# KiCad board motherboard_v1.kicad_pcb
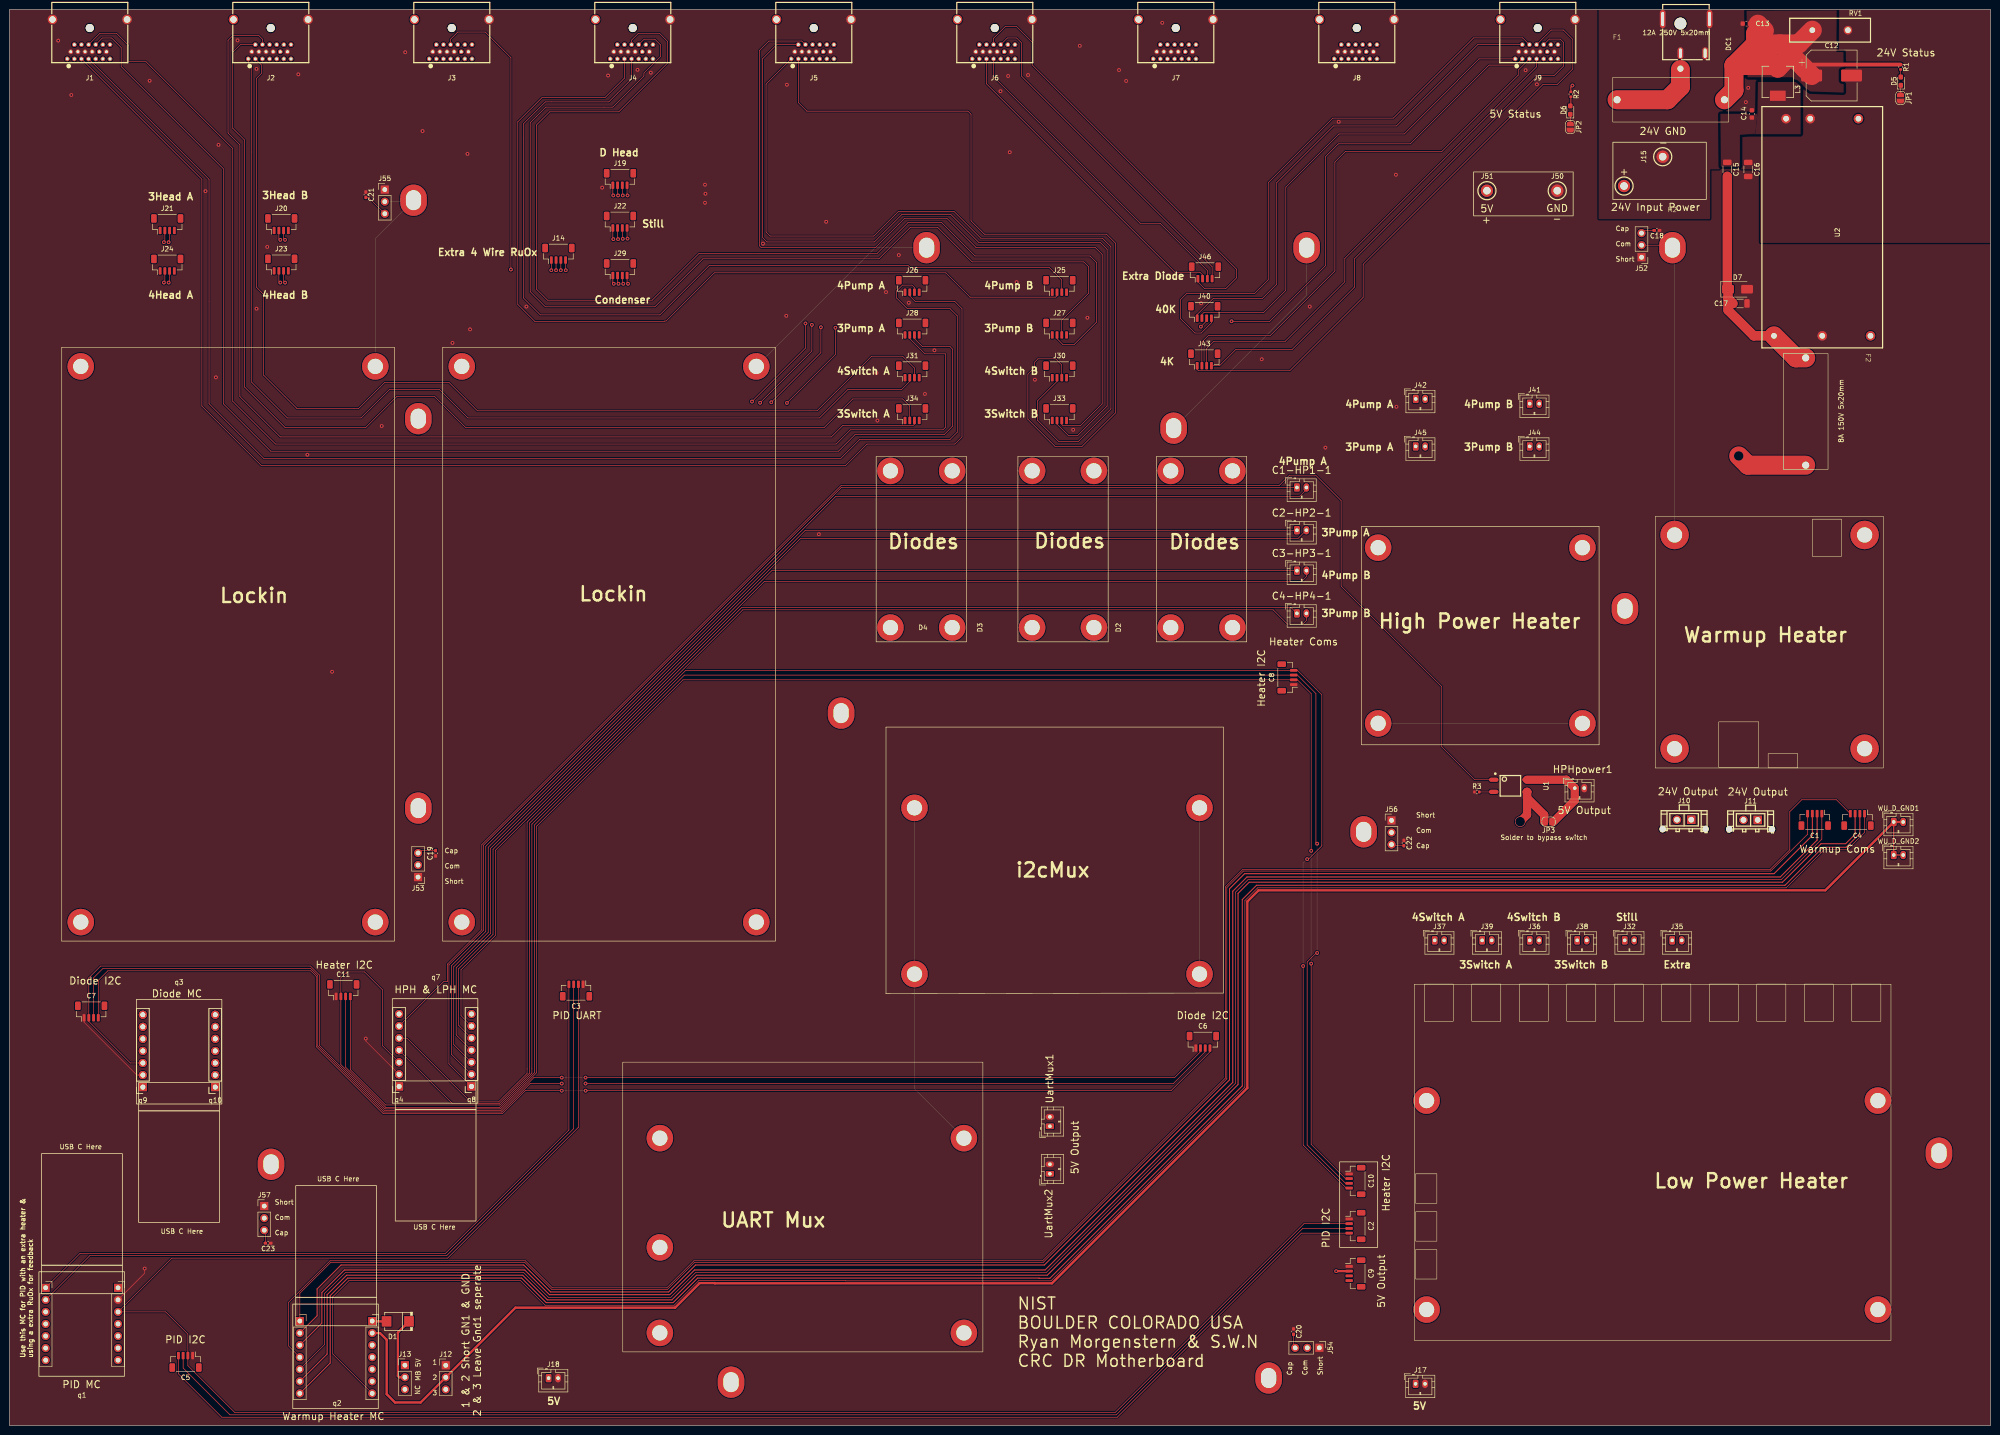
[diagram p0: board, top side]
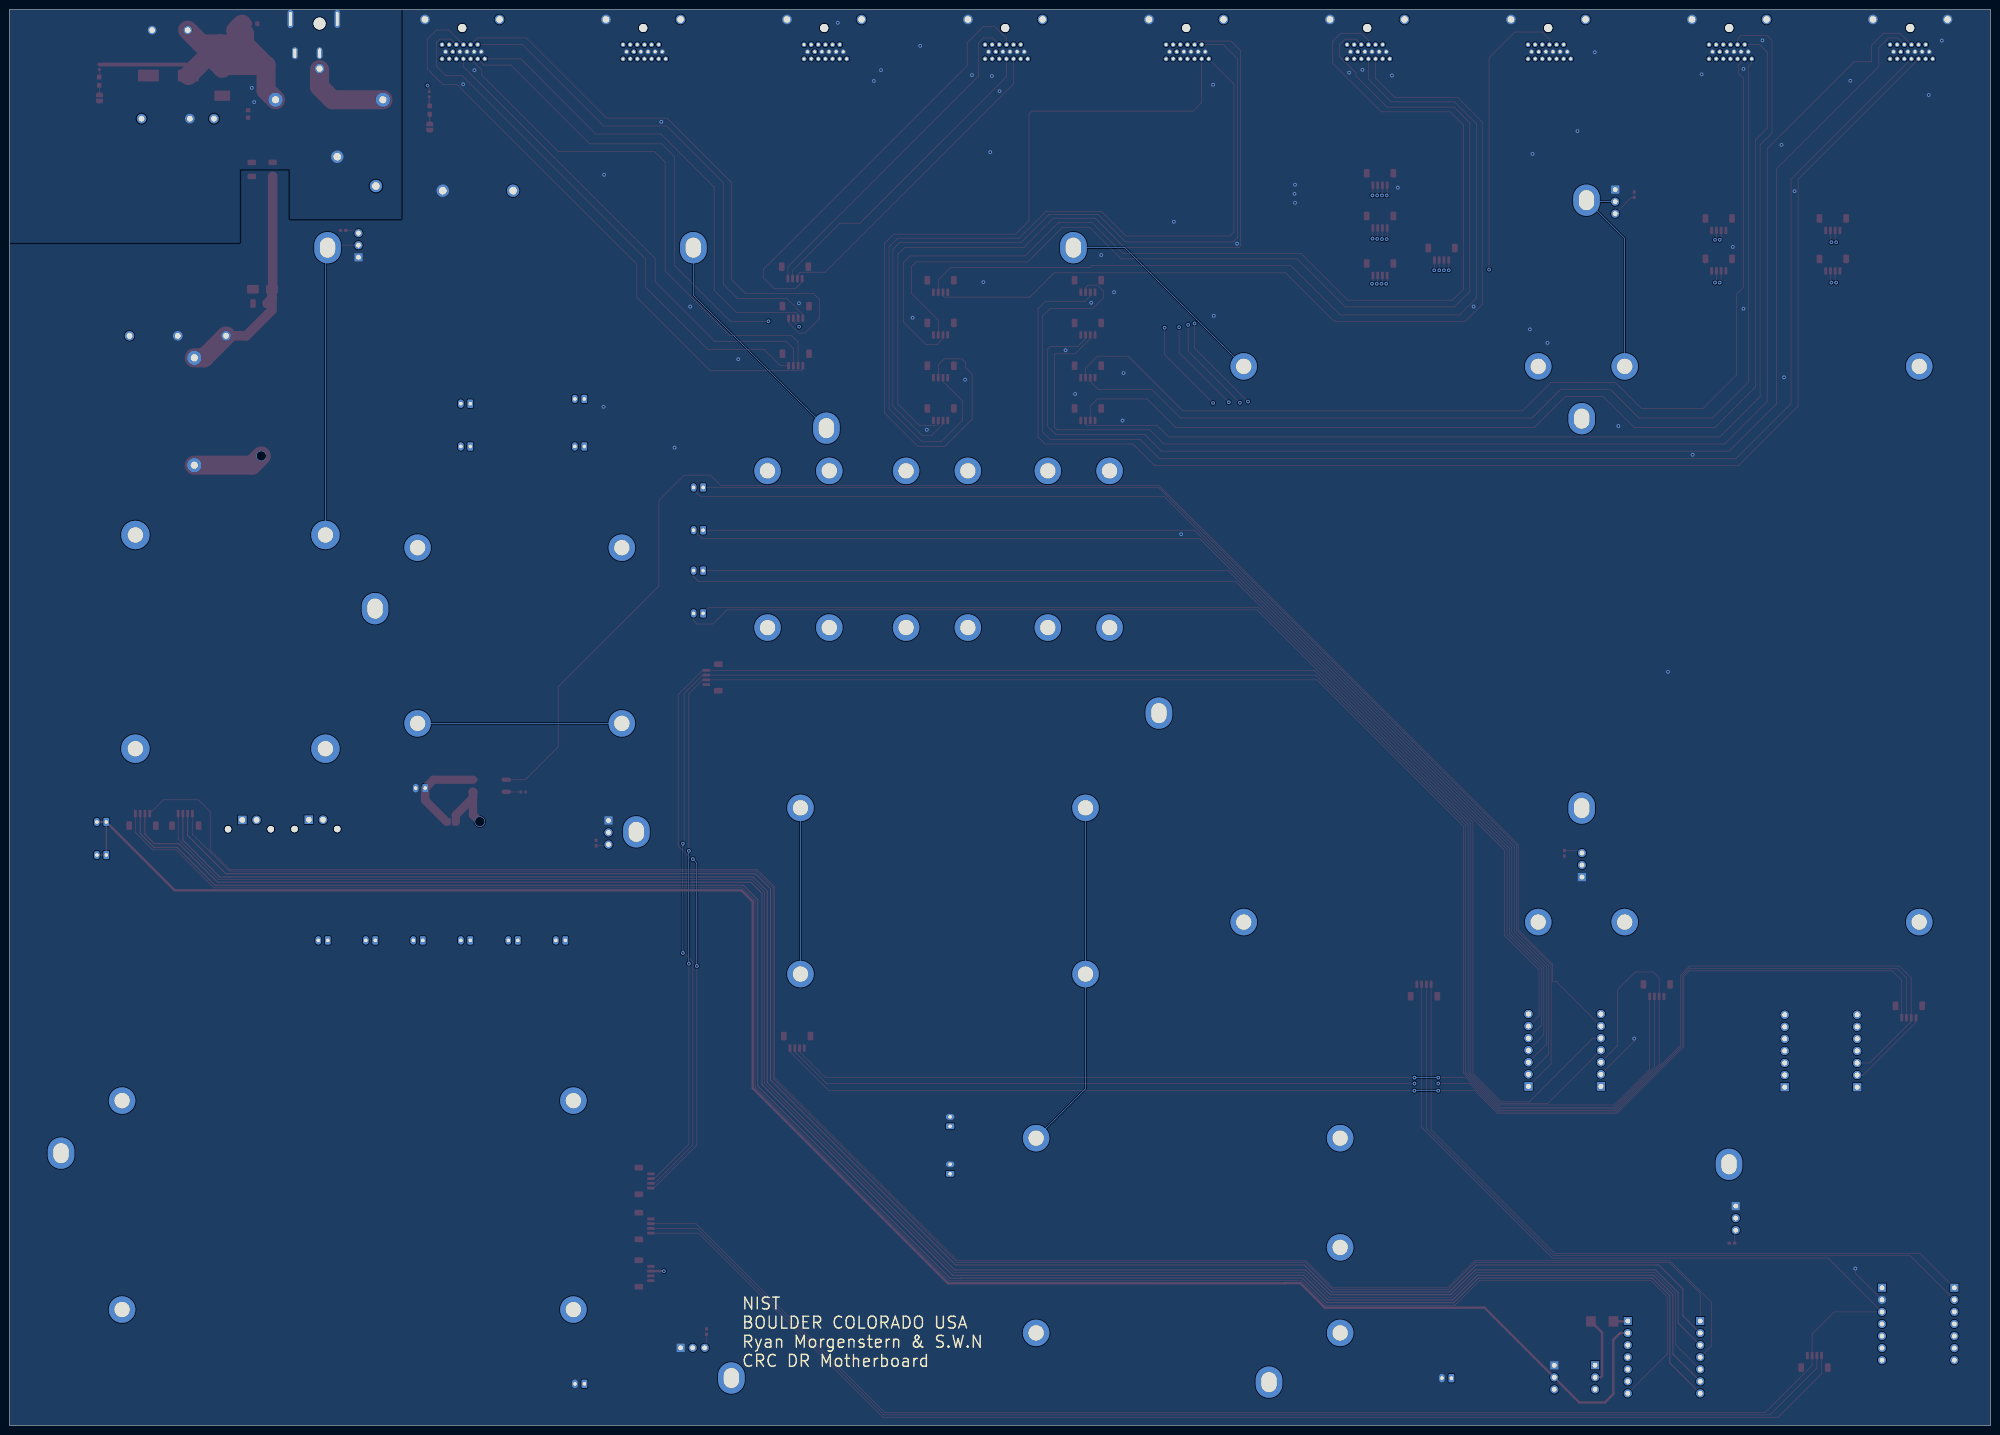
[diagram p1: board, bottom side, seen from below]

Outline 417 x 298.15 mm; copper layers: Top, In1.Cu, In2.Cu, In3.Cu, In4.Cu, Bottom. Coordinates in mm from the lower left corner of the outline.
Outline path: 0,298.15 0,0 417,0 417,298.15 0,298.15
Stack: Top 0.035mm / dielectric 0.1mm FR4 er 4.5 / In1.Cu 0.035mm / dielectric 0.535mm FR4 er 4.5 / In2.Cu 0.035mm / dielectric 0.1mm FR4 er 4.5 / In3.Cu 0.035mm / dielectric 0.535mm FR4 er 4.5 / In4.Cu 0.035mm / dielectric 0.1mm FR4 er 4.5 / Bottom 0.035mm

## Placement (name value [footprint] x y rotation side)
C1  JST_SH_Conn_01x04_  [JST_SH_BM04B-SRSS-TB_1x04-1MP_P1.00mm_Vertical]  380 127.51 180 top
C1-HP1-1  Conn_01x02  [JST_PH_B2B-PH-K_1x02_P2.00mm_Vertical]  271 197.51 0 top
C2  JST_SH_Conn_01x04_  [JST_SH_BM04B-SRSS-TB_1x04-1MP_P1.00mm_Vertical]  283.32 42 270 top
C2-HP2-1  Conn_01x02  [JST_PH_B2B-PH-K_1x02_P2.00mm_Vertical]  271 188.51 0 top
C3  JST_SH_Conn_01x04_  [JST_SH_BM04B-SRSS-TB_1x04-1MP_P1.00mm_Vertical]  119.25 91.57 180 top
C3-HP3-1  Conn_01x02  [JST_PH_B2B-PH-K_1x02_P2.00mm_Vertical]  271 180 0 top
C4  JST_SH_Conn_01x04_  [JST_SH_BM04B-SRSS-TB_1x04-1MP_P1.00mm_Vertical]  389 127.51 180 top
C4-HP4-1  Conn_01x02  [JST_PH_B2B-PH-K_1x02_P2.00mm_Vertical]  271 171 0 top
C5  JST_SH_Conn_01x04_  [JST_SH_BM04B-SRSS-TB_1x04-1MP_P1.00mm_Vertical]  37.05 13.4 180 top
C6  JST_SH_Conn_01x04_  [JST_SH_BM04B-SRSS-TB_1x04-1MP_P1.00mm_Vertical]  251.2 80.8 0 top
C7  JST_SH_Conn_01x04_  [JST_SH_BM04B-SRSS-TB_1x04-1MP_P1.00mm_Vertical]  17.19 87.17 0 top
C8  JST_SH_Conn_01x04_  [JST_SH_BM04B-SRSS-TB_1x04-1MP_P1.00mm_Vertical]  269 157.51 90 top
C9  JST_SH_Conn_01x04_  [JST_SH_BM04B-SRSS-TB_1x04-1MP_P1.00mm_Vertical]  283.32 32.01 270 top
C10  JST_SH_Conn_01x04_  [JST_SH_BM04B-SRSS-TB_1x04-1MP_P1.00mm_Vertical]  283.32 51.49 270 top
C11  JST_SH_Conn_01x04_  [JST_SH_BM04B-SRSS-TB_1x04-1MP_P1.00mm_Vertical]  70.25 91.67 0 top
C12  470uF_50V  [CP_Elec_10x10.5]  383.55 284.25 0 top
C13  1uF_50V  [C_0603_1608Metric]  365.61 295.17 180 top
C14  1uF_50V  [C_0603_1608Metric]  366.77 276.16 90 top
C15  1nF_2kV  [C_1206_3216Metric]  361.6 264.5 270 top
C16  1nF_2kV  [C_1206_3216Metric]  366 264.47 270 top
C17  100uF_10V  [C_1206_3216Metric]  364.27 236.25 0 top
C18  100nF_50V  [C_0402_1005Metric_Pad0.74x0.62mm_HandSolder]  346.78 251.64 180 top
C19  100nF_50V  [C_0402_1005Metric_Pad0.74x0.62mm_HandSolder]  89.7 120.49 90 top
C20  100nF_50V  [C_0402_1005Metric_Pad0.74x0.62mm_HandSolder]  270.28 19.77 270 top
C21  100nF_50V  [C_0402_1005Metric_Pad0.74x0.62mm_HandSolder]  75 259.15 270 top
C22  100nF_50V  [C_0402_1005Metric_Pad0.74x0.62mm_HandSolder]  293.52 122.64 270 top
C23  100nF_50V  [C_0402_1005Metric_Pad0.74x0.62mm_HandSolder]  54.43 38.39 180 top
D1  SS3150_SMB  [SMB_L4.6-W3.6-LS5.3-RD]  81.73 21.92 180 top
D2  ~  [Diode_Board]  244.43 168.01 90 top
D3  ~  [Diode_Board]  215.27 168.01 90 top
D4  ~  [Diode_Board]  185.43 168.01 90 top
D5  LED  [LED_0603_1608Metric_Pad1.05x0.95mm_HandSolder]  398.12 283.06 90 top
D6  LED  [LED_0603_1608Metric_Pad1.05x0.95mm_HandSolder]  328.55 276.97 90 top
D7  SMBJ7.0A  [D_SMA]  363.75 239.25 0 top
DC1  DC-044K-D025  [barrel_jack_DC-IN-TH_DC-044K-D025]  352.93 290.92 270 top
F1  Fuse 250V 12A  [Fuse_holder]  338.4 279.15 0 top
F2  Fuse 250V 8A  [Fuse_holder]  378.1 224.8 270 top
H1  MountingHole_Pad  [Slot_Mounting_Hole]  85 258 0 top
H2  MountingHole_Pad  [Slot_Mounting_Hole]  350 248 0 top
H3  MountingHole_Pad  [Slot_Mounting_Hole]  245 210 0 top
H4  MountingHole_Pad  [Slot_Mounting_Hole]  175 150 0 top
H5  MountingHole_Pad  [Slot_Mounting_Hole]  86 130 0 top
H6  MountingHole_Pad  [Slot_Mounting_Hole]  86 212 0 top
H7  MountingHole_Pad  [Slot_Mounting_Hole]  265 10 0 top
H8  MountingHole_Pad  [Slot_Mounting_Hole]  55 55 0 top
H9  MountingHole_Pad  [Slot_Mounting_Hole]  193 248 0 top
H10  MountingHole_Pad  [Slot_Mounting_Hole]  406.1 57.35 0 top
H11  MountingHole_Pad  [Slot_Mounting_Hole]  285 125 0 top
H12  MountingHole_Pad  [Slot_Mounting_Hole]  273 248 0 top
H13  MountingHole_Pad  [Slot_Mounting_Hole]  340 172 0 top
H14  MountingHole_Pad  [Slot_Mounting_Hole]  151.83 9.13 0 top
H15  Low_Power_Heater_Mount  [Low_Power_Heater_Board]  298.3 68.41 0 top
H16  High_Power_Heater_Mount  [HPH_Board]  288.1 184.83 0 top
HPHpower1  Conn_01x02  [JST_PH_B2B-PH-K_1x02_P2.00mm_Vertical]  329.49 134.2 0 top
J1  HDMI_A_1.4  [HDMI-TH_D-HDMIM19P-FC00]  16.9 291.9 180 top
J2  HDMI_A_1.4  [HDMI-TH_D-HDMIM19P-FC00]  55 291.9 180 top
J3  HDMI_A_1.4  [HDMI-TH_D-HDMIM19P-FC00]  93.1 291.9 180 top
J4  HDMI_A_1.4  [HDMI-TH_D-HDMIM19P-FC00]  131.2 291.9 180 top
J5  HDMI_A_1.4  [HDMI-TH_D-HDMIM19P-FC00]  169.3 291.9 180 top
J6  HDMI_A_1.4  [HDMI-TH_D-HDMIM19P-FC00]  207.4 291.9 180 top
J7  HDMI_A_1.4  [HDMI-TH_D-HDMIM19P-FC00]  245.5 291.9 180 top
J8  HDMI_A_1.4  [HDMI-TH_D-HDMIM19P-FC00]  283.6 291.9 180 top
J9  HDMI_A_1.4  [HDMI-TH_D-HDMIM19P-FC00]  321.7 291.9 180 top
J10  Conn_01x02  [CONN-TH_436500215]  352.5 127.55 0 top
J11  Conn_01x02  [CONN-TH_436500215]  366.5 127.51 0 top
J12  Conn_01x03_Pin  [PinHeader_1x03_P2.54mm_Vertical]  91.83 12.67 0 top
J13  Conn_01x03_Pin  [PinHeader_1x03_P2.54mm_Vertical]  83.23 12.69 0 top
J14  JST_SH_Conn_01x04_Extra  [JST_SH_BM04B-SRSS-TB_1x04-1MP_P1.00mm_Vertical]  115.55 246.72 0 top
J15  Conn_01x01  [Test_Point_TH_BD3.2-D2.0]  348 267.15 90 top
J16  Conn_01x01  [Test_Point_TH_BD3.2-D2.0]  339.86 260.98 90 top
J17  Conn_01x02  [JST_PH_B2B-PH-K_1x02_P2.00mm_Vertical]  295.98 8.77 0 top
J18  Conn_01x02  [JST_PH_B2B-PH-K_1x02_P2.00mm_Vertical]  113.47 9.97 0 top
J19  JST_SH_Conn_01x04_D HEad  [JST_SH_BM04B-SRSS-TB_1x04-1MP_P1.00mm_Vertical]  128.5 262.47 0 top
J20  JST_SH_Conn_01x04_3Head B  [JST_SH_BM04B-SRSS-TB_1x04-1MP_P1.00mm_Vertical]  57.2 252.95 0 top
J21  JST_SH_Conn_01x04_3Head A  [JST_SH_BM04B-SRSS-TB_1x04-1MP_P1.00mm_Vertical]  33.2 252.95 0 top
J22  JST_SH_Conn_01x04_Still  [JST_SH_BM04B-SRSS-TB_1x04-1MP_P1.00mm_Vertical]  128.5 253.47 0 top
J23  JST_SH_Conn_01x04_4Head B  [JST_SH_BM04B-SRSS-TB_1x04-1MP_P1.00mm_Vertical]  57.2 244.45 0 top
J24  JST_SH_Conn_01x04_4Head A  [JST_SH_BM04B-SRSS-TB_1x04-1MP_P1.00mm_Vertical]  33.2 244.42 0 top
J25  JST_SH_Conn_01x04_4Pump Diode B  [JST_SH_BM04B-SRSS-TB_1x04-1MP_P1.00mm_Vertical]  221 239.95 0 top
J26  JST_SH_Conn_01x04_4Pump Diode A  [JST_SH_BM04B-SRSS-TB_1x04-1MP_P1.00mm_Vertical]  190 239.95 0 top
J27  JST_SH_Conn_01x04_3Pump Diode B  [JST_SH_BM04B-SRSS-TB_1x04-1MP_P1.00mm_Vertical]  221 230.95 0 top
J28  JST_SH_Conn_01x04_3Pump Diode A  [JST_SH_BM04B-SRSS-TB_1x04-1MP_P1.00mm_Vertical]  190 230.95 0 top
J29  JST_SH_Conn_01x04_Condenser  [JST_SH_BM04B-SRSS-TB_1x04-1MP_P1.00mm_Vertical]  128.5 243.47 0 top
J30  JST_SH_Conn_01x04_4Switch Diode B  [JST_SH_BM04B-SRSS-TB_1x04-1MP_P1.00mm_Vertical]  221 221.95 0 top
J31  JST_SH_Conn_01x04_4Switch Diode A  [JST_SH_BM04B-SRSS-TB_1x04-1MP_P1.00mm_Vertical]  190 221.95 0 top
J32  Conn_01x02_Still Heater  [JST_PH_B2B-PH-K_1x02_P2.00mm_Vertical]  340 102.15 0 top
J33  JST_SH_Conn_01x04_3Switch Diode B  [JST_SH_BM04B-SRSS-TB_1x04-1MP_P1.00mm_Vertical]  221 212.95 0 top
J34  JST_SH_Conn_01x04_3Switch Diode A  [JST_SH_BM04B-SRSS-TB_1x04-1MP_P1.00mm_Vertical]  190 212.95 0 top
J35  Conn_01x02_15 pin Extra  [JST_PH_B2B-PH-K_1x02_P2.00mm_Vertical]  350 102.15 0 top
J36  Conn_01x02_4SwitchHeater B  [JST_PH_B2B-PH-K_1x02_P2.00mm_Vertical]  320 102.15 0 top
J37  Conn_01x02_4SwitchHeater A  [JST_PH_B2B-PH-K_1x02_P2.00mm_Vertical]  300 102.15 0 top
J38  Conn_01x02_3SwitchHeater B  [JST_PH_B2B-PH-K_1x02_P2.00mm_Vertical]  330 102.15 0 top
J39  Conn_01x02_3SwitchHeater A  [JST_PH_B2B-PH-K_1x02_P2.00mm_Vertical]  310 102.15 0 top
J40  JST_SH_Conn_01x04_40K Diode  [JST_SH_BM04B-SRSS-TB_1x04-1MP_P1.00mm_Vertical]  251.5 234.47 0 top
J41  Conn_01x02_4PumpHeater B  [JST_PH_B2B-PH-K_1x02_P2.00mm_Vertical]  320 215.15 0 top
J42  Conn_01x02_4PumpHeater A  [JST_PH_B2B-PH-K_1x02_P2.00mm_Vertical]  296 216.15 0 top
J43  JST_SH_Conn_01x04_4K Diode  [JST_SH_BM04B-SRSS-TB_1x04-1MP_P1.00mm_Vertical]  251.5 224.47 0 top
J44  Conn_01x02_3PumpHeater B  [JST_PH_B2B-PH-K_1x02_P2.00mm_Vertical]  320 206.15 0 top
J45  Conn_01x02_3PumpHeater A  [JST_PH_B2B-PH-K_1x02_P2.00mm_Vertical]  296 206.15 0 top
J46  JST_SH_Conn_01x04_Extra  [JST_SH_BM04B-SRSS-TB_1x04-1MP_P1.00mm_Vertical]  251.65 242.8 0 top
J50  Conn_01x01  [Test_Point_TH_BD3.2-D2.0]  325.8 260 0 top
J51  Conn_01x01  [Test_Point_TH_BD3.2-D2.0]  311 260 0 top
J52  Conn_01x03_Pin  [PinHeader_1x03_P2.54mm_Vertical]  343.54 245.98 180 top
J53  Conn_01x03_Pin  [PinHeader_1x03_P2.54mm_Vertical]  86 115.46 180 top
J54  Conn_01x03_Pin  [PinHeader_1x03_P2.54mm_Vertical]  275.72 16.35 270 top
J55  Conn_01x03_Pin  [PinHeader_1x03_P2.54mm_Vertical]  79 260.23 0 top
J56  Conn_01x03_Pin  [PinHeader_1x03_P2.54mm_Vertical]  290.91 127.41 0 top
J57  Conn_01x03_Pin  [PinHeader_1x03_P2.54mm_Vertical]  53.62 46.2 0 top
JP1  SolderJumper_2_Open  [SolderJumper-2_P1.3mm_Open_RoundedPad1.0x1.5mm]  398.06 279.52 270 top
JP2  SolderJumper_2_Open  [SolderJumper-2_P1.3mm_Open_RoundedPad1.0x1.5mm]  328.55 273.4 270 top
JP3  SolderJumper_2_Open  [SolderJumper-2_P1.3mm_Open_RoundedPad1.0x1.5mm]  323.98 127.12 180 top
L1  ~  [Lockin_board]  15 106 90 top
L2  ~  [Lockin_board]  95.2 106 90 top
L3  L_Iron  [IND-SMD_L7.1-W6.6]  372.22 282.9 270 top
M1  ~  [Uart Mux]  200.9 19.5 180 top
M2  ~  [i2c_Mux]  250.5 130.05 0 top
q1  ~  [Microcontroller-qtpy]  15.23 29 0 top
q2  ~  [Microcontroller-qtpy]  68.73 22 0 top
q3  ~  [Microcontroller-qtpy]  35.69 71.25 180 top
q4  Conn_01x07  [PinSocket_1x07_P2.54mm_Vertical]  82.01 71.4 180 top
q7  ~  [Microcontroller-qtpy]  89.63 71.4 180 top
q8  Conn_01x07  [PinSocket_1x07_P2.54mm_Vertical]  97.25 71.4 180 top
q9  Conn_01x07  [PinSocket_1x07_P2.54mm_Vertical]  28.07 71.25 180 top
q10  Conn_01x07  [PinSocket_1x07_P2.54mm_Vertical]  43.31 71.25 180 top
R1  2100  [R_0402_1005Metric]  398.09 286.04 270 top
R2  200  [R_0402_1005Metric]  328.67 280.29 270 top
R3  200  [R_0402_1005Metric]  308.88 133.39 0 top
RV1  14D560K_Varistor  [RES-TH_L17.0-W5.0-P7.50-D1.2]  383.24 293.8 0 top
U1  PhotoMos  [HPH_Switch_SOP-4_L4.4-W4.3-P2.54-LS6.8-BL]  315.94 134.7 270 top
U2  TDK30-24S05W  [PWRM-TH_TDK30-XXSXX]  381.58 252.3 270 top
UartMux1  Conn_01x02  [JST_PH_B2B-PH-K_1x02_P2.00mm_Vertical]  219 63 90 top
UartMux2  Conn_01x02  [JST_PH_B2B-PH-K_1x02_P2.00mm_Vertical]  219 53 90 top
W1  ~  [Warmup circuit]  390.5 142.51 180 top
WU_D_GND1  Conn_01x02  [JST_PH_B2B-PH-K_1x02_P2.00mm_Vertical]  396.62 127.07 0 top
WU_D_GND2  Conn_01x02  [JST_PH_B2B-PH-K_1x02_P2.00mm_Vertical]  396.62 120.12 0 top

## Library data of the parts
C1-C11 J14 J19-J31 J33 J34 J40 J43 J46 = -: LCSC: C160390; MPN: A1001WR-S; ki_fp_filters: Connector*:*_1x??_* Connector*:JST_SH_*04B*
C1-HP1-1 C2-HP2-1 C3-HP3-1 C4-HP4-1 HPHpower1 J17 J18 J45 UartMux1 UartMux2 WU_D_GND1 WU_D_GND2 = -: LCSC: C2683610; ki_fp_filters: Connector*:*_1x??_*
C12 = -: LCSC: C3032175; ki_fp_filters: CP_*
C13 C14 = -: LCSC: C15849; ki_fp_filters: C_*
C15-C17 = -: LCSC: C9196; ki_fp_filters: C_*
C18-C23 = -: LCSC: C307331; ki_fp_filters: C_*
D1 = -: LCSC: C47124
D5 D6 = -: LCSC: C965804; ki_fp_filters: LED* LED_SMD:* LED_THT:*
D7 = -: Datasheet: https://www.littelfuse.com/media?resourcetype=datasheets&itemid=75e32973-b177-4ee3-a0ff-cedaf1abdb93&filename=smaj-datasheet; LCSC: C693613; ki_fp_filters: D*SMA*
DC1 = -: LCSC: C963204
F1 F2 = -: LCSC: C268204; ki_fp_filters: *Fuse*
H1-H14 = -: ki_fp_filters: MountingHole*Pad*
J1-J9 = -: Datasheet: https://en.wikipedia.org/wiki/HDMI; Description: HDMI type A connector; LCSC: C3025483; ki_fp_filters: HDMI*A*
J10 J11 = -: LCSC: C293740; MFR: 436500215; ki_fp_filters: Connector*:*_1x??_*
J12 J13 J52-J57 = -: LCSC: C2937625; ki_fp_filters: Connector*:*_1x??_*
J15 J50 = -: LCSC: C5199811; ki_fp_filters: Connector*:*_1x??_*
J16 J51 = -: LCSC: C5277086; ki_fp_filters: Connector*:*_1x??_*
J32 J35-J39 J41 J42 J44 = -: LCSC: C5175230; ki_fp_filters: Connector*:*_1x??_*
JP1-JP3 = -: ki_fp_filters: SolderJumper*Open*
L3 = -: LCSC: C917352; ki_fp_filters: Choke_* *Coil* Inductor_* L_*
q4 q8-q10 = -: LCSC: C2897370; ki_fp_filters: Connector*:*_1x??_*
R1 = -: LCSC: C2998067; ki_fp_filters: R_*
R2 R3 = -: LCSC: C25087; ki_fp_filters: R_*
RV1 = -: LCSC: C18901; Sim.Device: SUBCKT; Sim.Name: kicad_builtin_varistor; Sim.Params: threshold=1k; Sim.Pins: 1=A 2=B; ki_fp_filters: RV_* Varistor*
U1 = -: Datasheet: https://www.lcsc.com/datasheet/lcsc_datasheet_1807271120_TOSHIBA-TLP240A-TP1-F_C146360.pdf; LCSC: C2691608
U2 = -: Datasheet: http://www.szlcsc.com/product/details_596509.html; LCSC: C570789; uuid: std:1732781940534846a47b2173a4d139b2

## Footprints (pads in the part's own frame, mm; a bottom-side part is the same pattern mirrored in y, then rotated)
barrel_jack_DC-IN-TH_DC-044K-D025
  round 2.5 hole 2.5: (-4.27,-1.2)
  oval 3.8x1.2 hole 3x0.6: 1(-5.23,4.93) 6(-5.23,-4.93)
  oval 2.5x1.2 hole 2x0.6: 2(1.98,4) 3(1.98,-1.2)
  round 2 hole 1.3: 4(5.23,-1.2)
C_0402_1005Metric_Pad0.74x0.62mm_HandSolder
  rrect 0.735x0.62 smd: 1(-0.568,0) 2(0.568,0)
C_0603_1608Metric
  rrect 0.9x0.95 smd: 1(-0.775,0) 2(0.775,0)
C_1206_3216Metric
  rrect 1.15x1.8 smd: 1(-1.475,0) 2(1.475,0)
CONN-TH_436500215
  round 1.35 hole 1.35: (-4.5,-1.96) (4.5,-1.96)
  rect 1.8x1.8 hole 1.2: 1(1.5,0)
  round 1.8 hole 1.2: 2(-1.5,0)
CP_Elec_10x10.5
  rrect 4.4x2.5 smd: 1(-4.2,0) 2(4.2,0)
D_SMA
  rrect 2.5x1.8 smd: 1(-2,0) 2(2,0)
Diode_Board
  round 5.6 hole 3.2: 1(0,0) 1(0,-13) 1(33,0) 1(33,-13)
Fuse_holder
  round 3 hole 1.5: 1(0,0) 2(22.6,0)
HDMI-TH_D-HDMIM19P-FC00
  round 1.7 hole 1.7: (0,-2.35)
  round 1 hole 0.6: 1(4.75,4.15) 2(4,2.65) 3(3.25,4.15) 4(3.25,1.15) 5(2.5,2.65) 6(1.75,1.15) 7(1.75,4.15) 8(1,2.65) 9(0.25,4.15) 10(0.25,1.15) 11(-0.5,2.65) 12(-1.25,1.15) 13(-1.25,4.15) 14(-2,2.65) 15(-2.75,4.15) 16(-2.75,1.15) 17(-3.5,2.65) 18(-4.25,1.15) 19(-4.25,4.15)
  round 2 hole 1.4: 20(-7.85,-4.15) 21(7.85,-4.15)
HPH_Board
  round 5.6 hole 3.2: 1(0,0) 1(43,0) 1(43,-37)
  round 5.6 hole 3.21: 1(0,-37)
HPH_Switch_SOP-4_L4.4-W4.3-P2.54-LS6.8-BL
  oval 0.9x2 smd: 1(-1.27,-3.5) 2(1.27,-3.5) 3(1.27,3.5) 4(-1.27,3.5)
i2c_Mux
  round 5.6 hole 3.2: 1(-60,0) 1(-60,-35) 1(0,0) 1(0,-35)
IND-SMD_L7.1-W6.6
  rect 2.15x3.32 smd: 1(-2.913,0) 2(2.913,0)
JST_PH_B2B-PH-K_1x02_P2.00mm_Vertical
  rrect 1.2x1.75 hole 0.75: 1(0,0)
  oval 1.2x1.75 hole 0.75: 2(2,0)
JST_SH_BM04B-SRSS-TB_1x04-1MP_P1.00mm_Vertical
  rrect 0.6x1.55 smd: 1(-1.5,-1.325) 2(-0.5,-1.325) 3(0.5,-1.325) 4(1.5,-1.325)
  rrect 1.2x1.8 smd: MP(-2.8,1.2) MP(2.8,1.2)
LED_0603_1608Metric_Pad1.05x0.95mm_HandSolder
  rrect 1.05x0.95 smd: 1(-0.875,0) 2(0.875,0)
Lockin_board
  round 5.6 hole 3.2: 1(0,0) 1(0,-62) 1(117,0) 1(117,-62)
Low_Power_Heater_Board
  round 5.6 hole 3.2: 0(0,0) 0(0,-44) 0(95,0) 0(95,-44)
Microcontroller-qtpy
  rect 1.7x1.7 hole 1: 1(-7.62,0) 8(7.62,0)
  oval 1.7x1.7 hole 1: 2(-7.62,-2.54) 3(-7.62,-5.08) 4(-7.62,-7.62) 5(-7.62,-10.16) 6(-7.62,-12.7) 7(-7.62,-15.24) 9(7.62,-2.54) 10(7.62,-5.08) 11(7.62,-7.62) 12(7.62,-10.16) 13(7.62,-12.7) 14(7.62,-15.24)
PinHeader_1x03_P2.54mm_Vertical
  rect 1.7x1.7 hole 1: 1(0,0)
  oval 1.7x1.7 hole 1: 2(0,-2.54) 3(0,-5.08)
PinSocket_1x07_P2.54mm_Vertical
  rect 1.7x1.7 hole 1: 1(0,0)
  oval 1.7x1.7 hole 1: 2(0,-2.54) 3(0,-5.08) 4(0,-7.62) 5(0,-10.16) 6(0,-12.7) 7(0,-15.24)
PWRM-TH_TDK30-XXSXX
  round 2 hole 1.2: 1(-22.86,-7.62) 2(-22.86,-2.54) 3(-22.86,7.62) 4(22.86,10.16) 5(22.86,0) 6(22.86,-10.16)
R_0402_1005Metric
  rrect 0.54x0.64 smd: 1(-0.51,0) 2(0.51,0)
RES-TH_L17.0-W5.0-P7.50-D1.2
  round 1.8 hole 1.2: 1(-3.75,0) 2(3.75,0)
Slot_Mounting_Hole
  oval 5.6x6.6 hole 3.2x4.2: 1(0.05,0)
SMB_L4.6-W3.6-LS5.3-RD
  rect 2.047x2.192 smd: 1(-2.361,0) 2(2.361,0)
SolderJumper-2_P1.3mm_Open_RoundedPad1.0x1.5mm
  custom 1x1.5 smd: 1(-0.65,0) 2(0.65,0)
Test_Point_TH_BD3.2-D2.0
  round 2.6 hole 1.6: 1(0,0)
Uart Mux
  round 5.6 hole 3.2: 1(0,0) 1(0,-41) 1(64,0) 1(64,-18) 1(64,-41)
Warmup circuit
  round 6 hole 3.2: 1(0,0) 1(0,-45) 1(40,0) 1(40,-45)

## Nets
+5V: C9.2 F2.2 J13.1 J17.1 J18.1 J51.1 JP3.2 R2.1 U1.3 UartMux1.1 UartMux2.1
+24V: C12.1 C13.1 F1.2 J10.2 J11.2 L3.1 R1.1 RV1.1
/24V to 5V Power/Vin: C14.1 C15.1 L3.2 U2.1
GND: C2.1 C3.1 C5.1 C6.1 C7.1 C8.1 C9.1 C10.1 C11.1 C16.2 C17.2 C18.1 C19.1 C20.1 C21.1 C22.1 C23.1 D7.2 HPHpower1.2 J1.2 J1.5 J1.8 J1.11 J1.17 J1.20 J1.21 J2.2 J2.5 J2.8 J2.11 J2.17 J2.20 J3.2 J3.5 J3.8 J3.11 J3.17 J3.20 J4.2 J4.5 J4.8 J4.11 J4.17 J4.20 J5.2 J5.5 J5.8 J5.11 J5.17 J5.20 J6.2 J6.5 J6.8 J6.11 J6.17 J6.20 J7.2 J7.5 J7.8 J7.11 J7.17 J7.20 J8.2 J8.5 J8.8 J8.11 J8.17 J8.20 J9.2 J9.5 J9.8 J9.11 J9.17 J9.20 J12.1 J17.2 J18.2 J50.1 J52.1 J53.1 J54.1 J55.1 J56.1 J57.1 JP2.2 q1.9 q3.9 q7.9 R3.1 U2.5 UartMux1.2 UartMux2.2
GND1: J12.2 q2.9 WU_D_GND1.1 WU_D_GND1.2 WU_D_GND2.1 WU_D_GND2.2
GNDPWR: C12.2 C13.2 C14.2 C16.1 DC1.1 DC1.2 DC1.3 DC1.6 J10.1 J11.1 J15.1 JP1.2 RV1.2 U2.2
/CTRL 1: C1.3 q2.2
/CTRL 2: C4.3 q2.6
/HP_q2_SCL 1: C8.4 C10.4 C11.4
/HP_q2_SDA 1: C8.3 C10.3 C11.3
/ISMON 1: C1.4 q2.1
/ISMON 2: C4.4 q2.4
/PWM 1: C1.2 q2.3
/PWM 2: C4.2 q2.7
/Q1_3.3V: C6.2 C7.2 q3.10
/Q1_SCL 1: C6.4 C7.4
/Q1_SDA 1: C6.3 C7.3
/Q2_3.3V: C8.2 C10.2 C11.2 q7.10
/Q3_3.3V: C2.2 C3.2 C5.2 q1.10
/Q3_Rx0: C3.4 q1.1
/Q3_SCL 1: C2.4 C5.4
/Q3_SDA 1: C2.3 C5.3
/Q3_Tx0: C3.3 q1.2
/Switch 1: C1.1 q2.5
/Switch 2: C4.1 q2.14
Earth_Protective: D2.1 D3.1 D4.1 H1.1 H2.1 H3.1 H4.1 H5.1 H6.1 H7.1 H8.1 H9.1 H10.1 H11.1 H12.1 H13.1 H14.1 H15.0 H16.1 J52.2 J53.2 J54.2 J55.2 J56.2 J57.2 L1.1 L2.1 M1.1 M2.1 W1.1
VS: DC1.4 F1.1 J16.1
Net-(C1-HP1-1-Pin_1): C1-HP1-1.1 q7.1
Net-(C1-HP1-1-Pin_2): C1-HP1-1.2 q7.2
Net-(C2-HP2-1-Pin_1): C2-HP2-1.1 q7.3
Net-(C2-HP2-1-Pin_2): C2-HP2-1.2 q7.4
Net-(C3-HP3-1-Pin_1): C3-HP3-1.1 q7.5
Net-(C3-HP3-1-Pin_2): C3-HP3-1.2 q7.6
Net-(C4-HP4-1-Pin_1): C4-HP4-1.1 q7.12
Net-(C4-HP4-1-Pin_2): C4-HP4-1.2 q7.11
Net-(D1-A): D1.2 q2.8
Net-(D1-K): D1.1 J13.2
Net-(D5-A): D5.2 R1.2
Net-(D5-K): D5.1 JP1.1
Net-(D6-A): D6.2 R2.2
Net-(D6-K): D6.1 JP2.1
Net-(D7-A1): C15.2 C17.1 D7.1 F2.1 U2.6
Net-(HPHpower1-Pin_1): HPHpower1.1 JP3.1 U1.4
Net-(J1-CK+): J1.10 J28.2
Net-(J1-CK-): J1.12 J28.3
Net-(J1-D0+): J1.7 J26.2
Net-(J1-D0-): J1.9 J26.3
Net-(J1-D1+): J1.4 J24.2
Net-(J1-D1-): J1.6 J24.3
Net-(J1-D2+): J1.1 J21.2
Net-(J1-D2-): J1.3 J21.3
Net-(J2-CK+): J2.10 J39.1
Net-(J2-CK-): J2.12 J39.2
Net-(J2-D0+): J2.7 J37.1
Net-(J2-D0-): J2.9 J37.2
Net-(J2-D1+): J2.4 J34.2
Net-(J2-D1-): J2.6 J34.3
Net-(J2-D2+): J2.1 J31.2
Net-(J2-D2-): J2.3 J31.3
Net-(J3-D1+): J3.4 J45.1
Net-(J3-D1-): J3.6 J45.2
Net-(J3-D2+): J3.1 J42.1
Net-(J3-D2-): J3.3 J42.2
Net-(J14-gnd): J3.10 J14.1
Net-(J14-SCL): J3.12 J14.4
Net-(J14-SDA): J3.9 J14.3
Net-(J14-VCC): J3.7 J14.2
Net-(J19-gnd): J7.4 J19.1
Net-(J19-SCL): J7.6 J19.4
Net-(J19-SDA): J7.3 J19.3
Net-(J19-VCC): J7.1 J19.2
Net-(J20-SDA): J4.3 J20.3
Net-(J20-VCC): J4.1 J20.2
Net-(J22-gnd): J7.10 J22.1
Net-(J22-SCL): J7.12 J22.4
Net-(J22-SDA): J7.9 J22.3
Net-(J22-VCC): J7.7 J22.2
Net-(J23-SDA): J4.6 J23.3
Net-(J23-VCC): J4.4 J23.2
Net-(J25-SDA): J4.9 J25.3
Net-(J25-VCC): J4.7 J25.2